# Altium PCB FIT_TDC_ADC.PcbDoc (part 1 of 10) (continued)
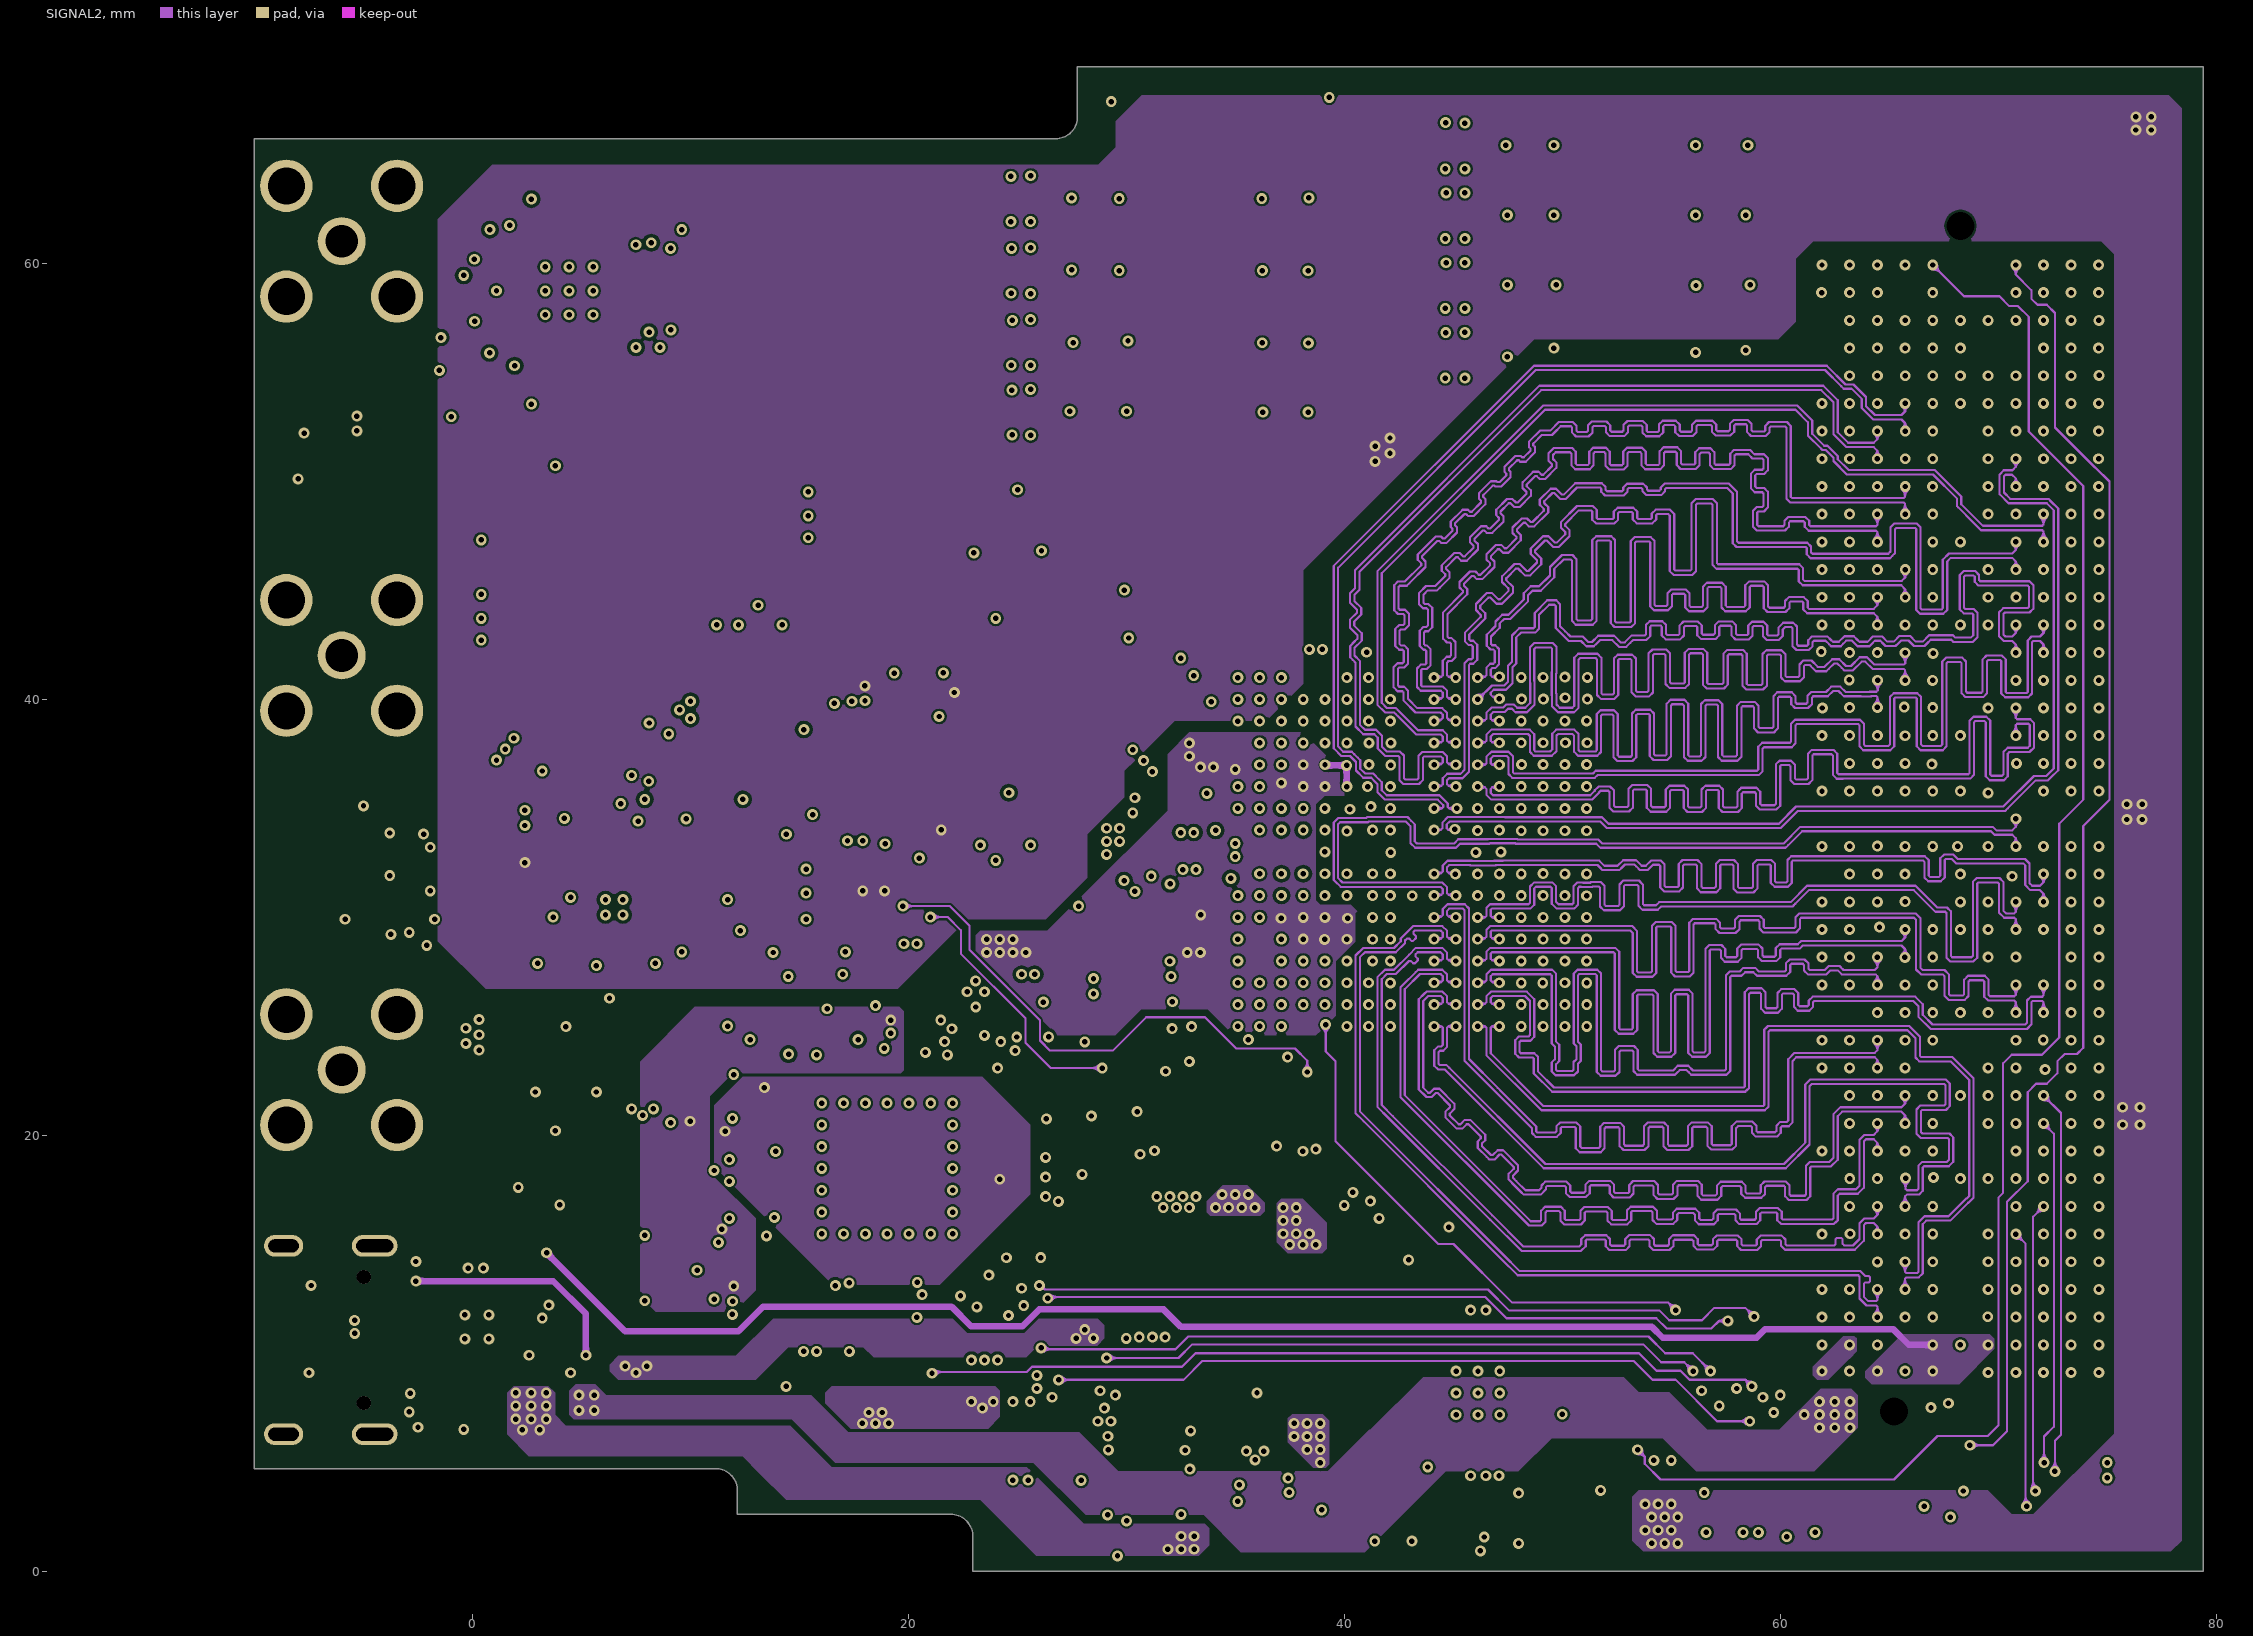
[diagram p3: SIGNAL2]
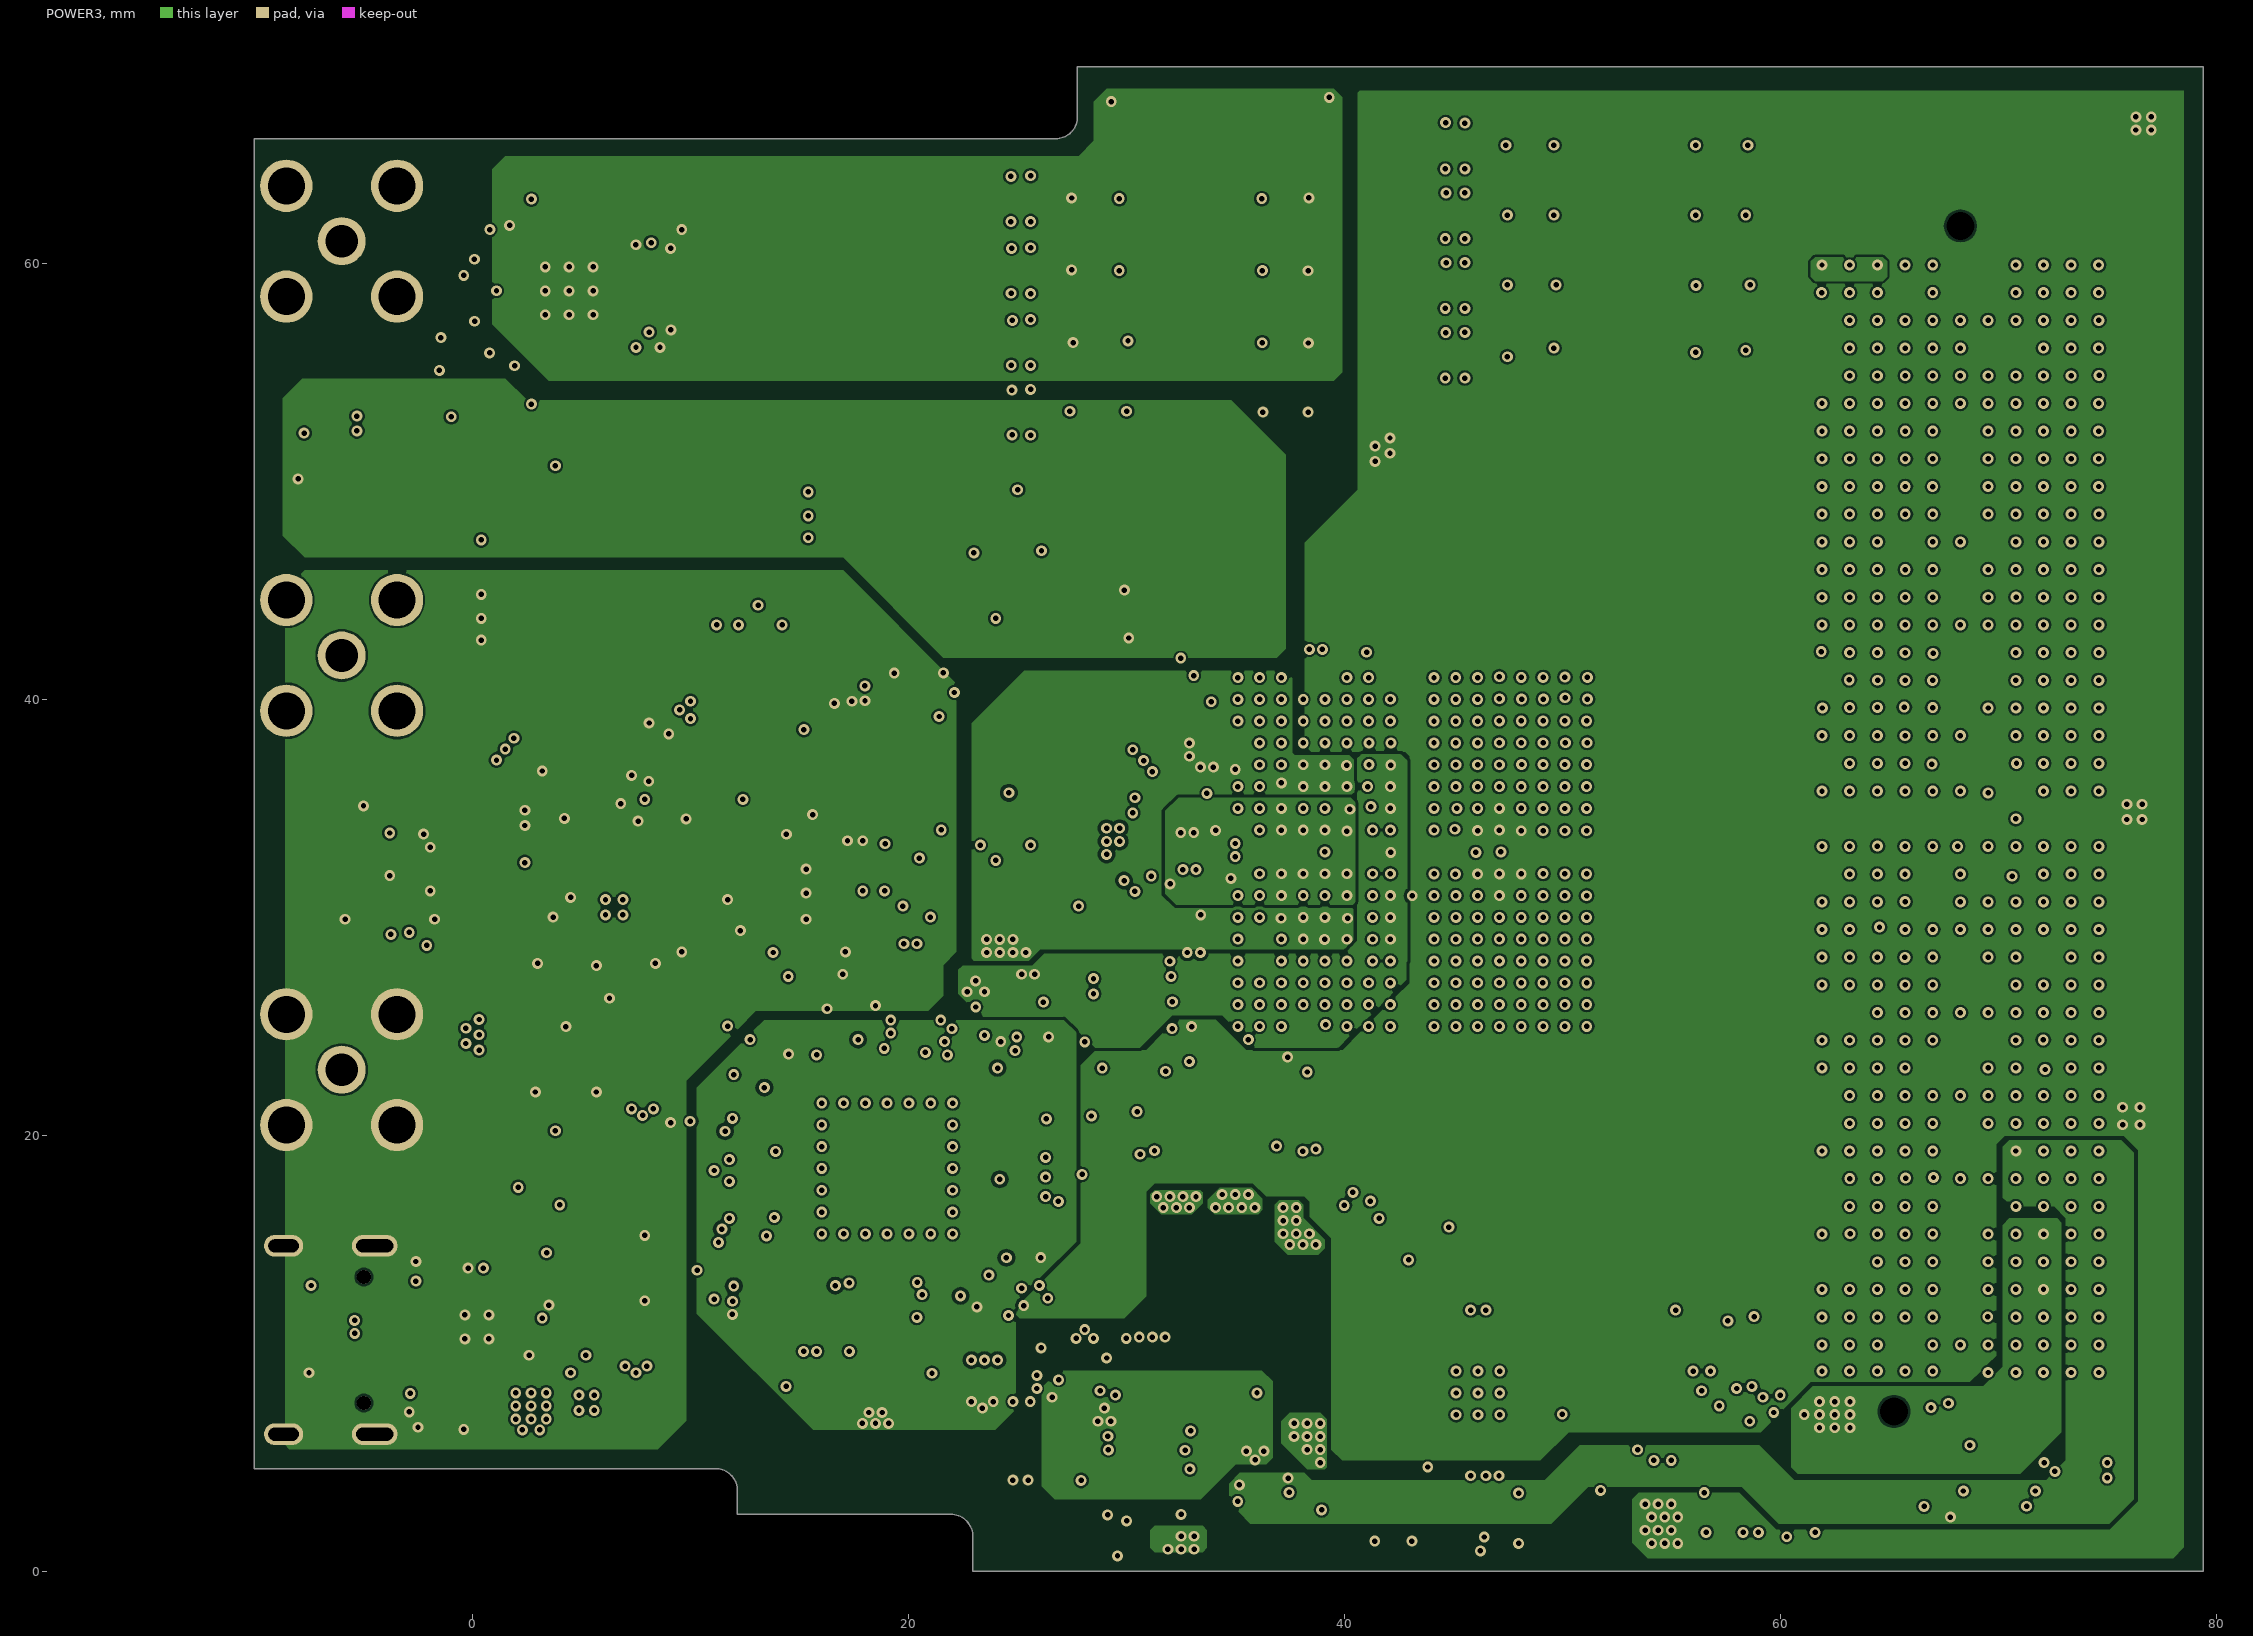
[diagram p4: POWER3]
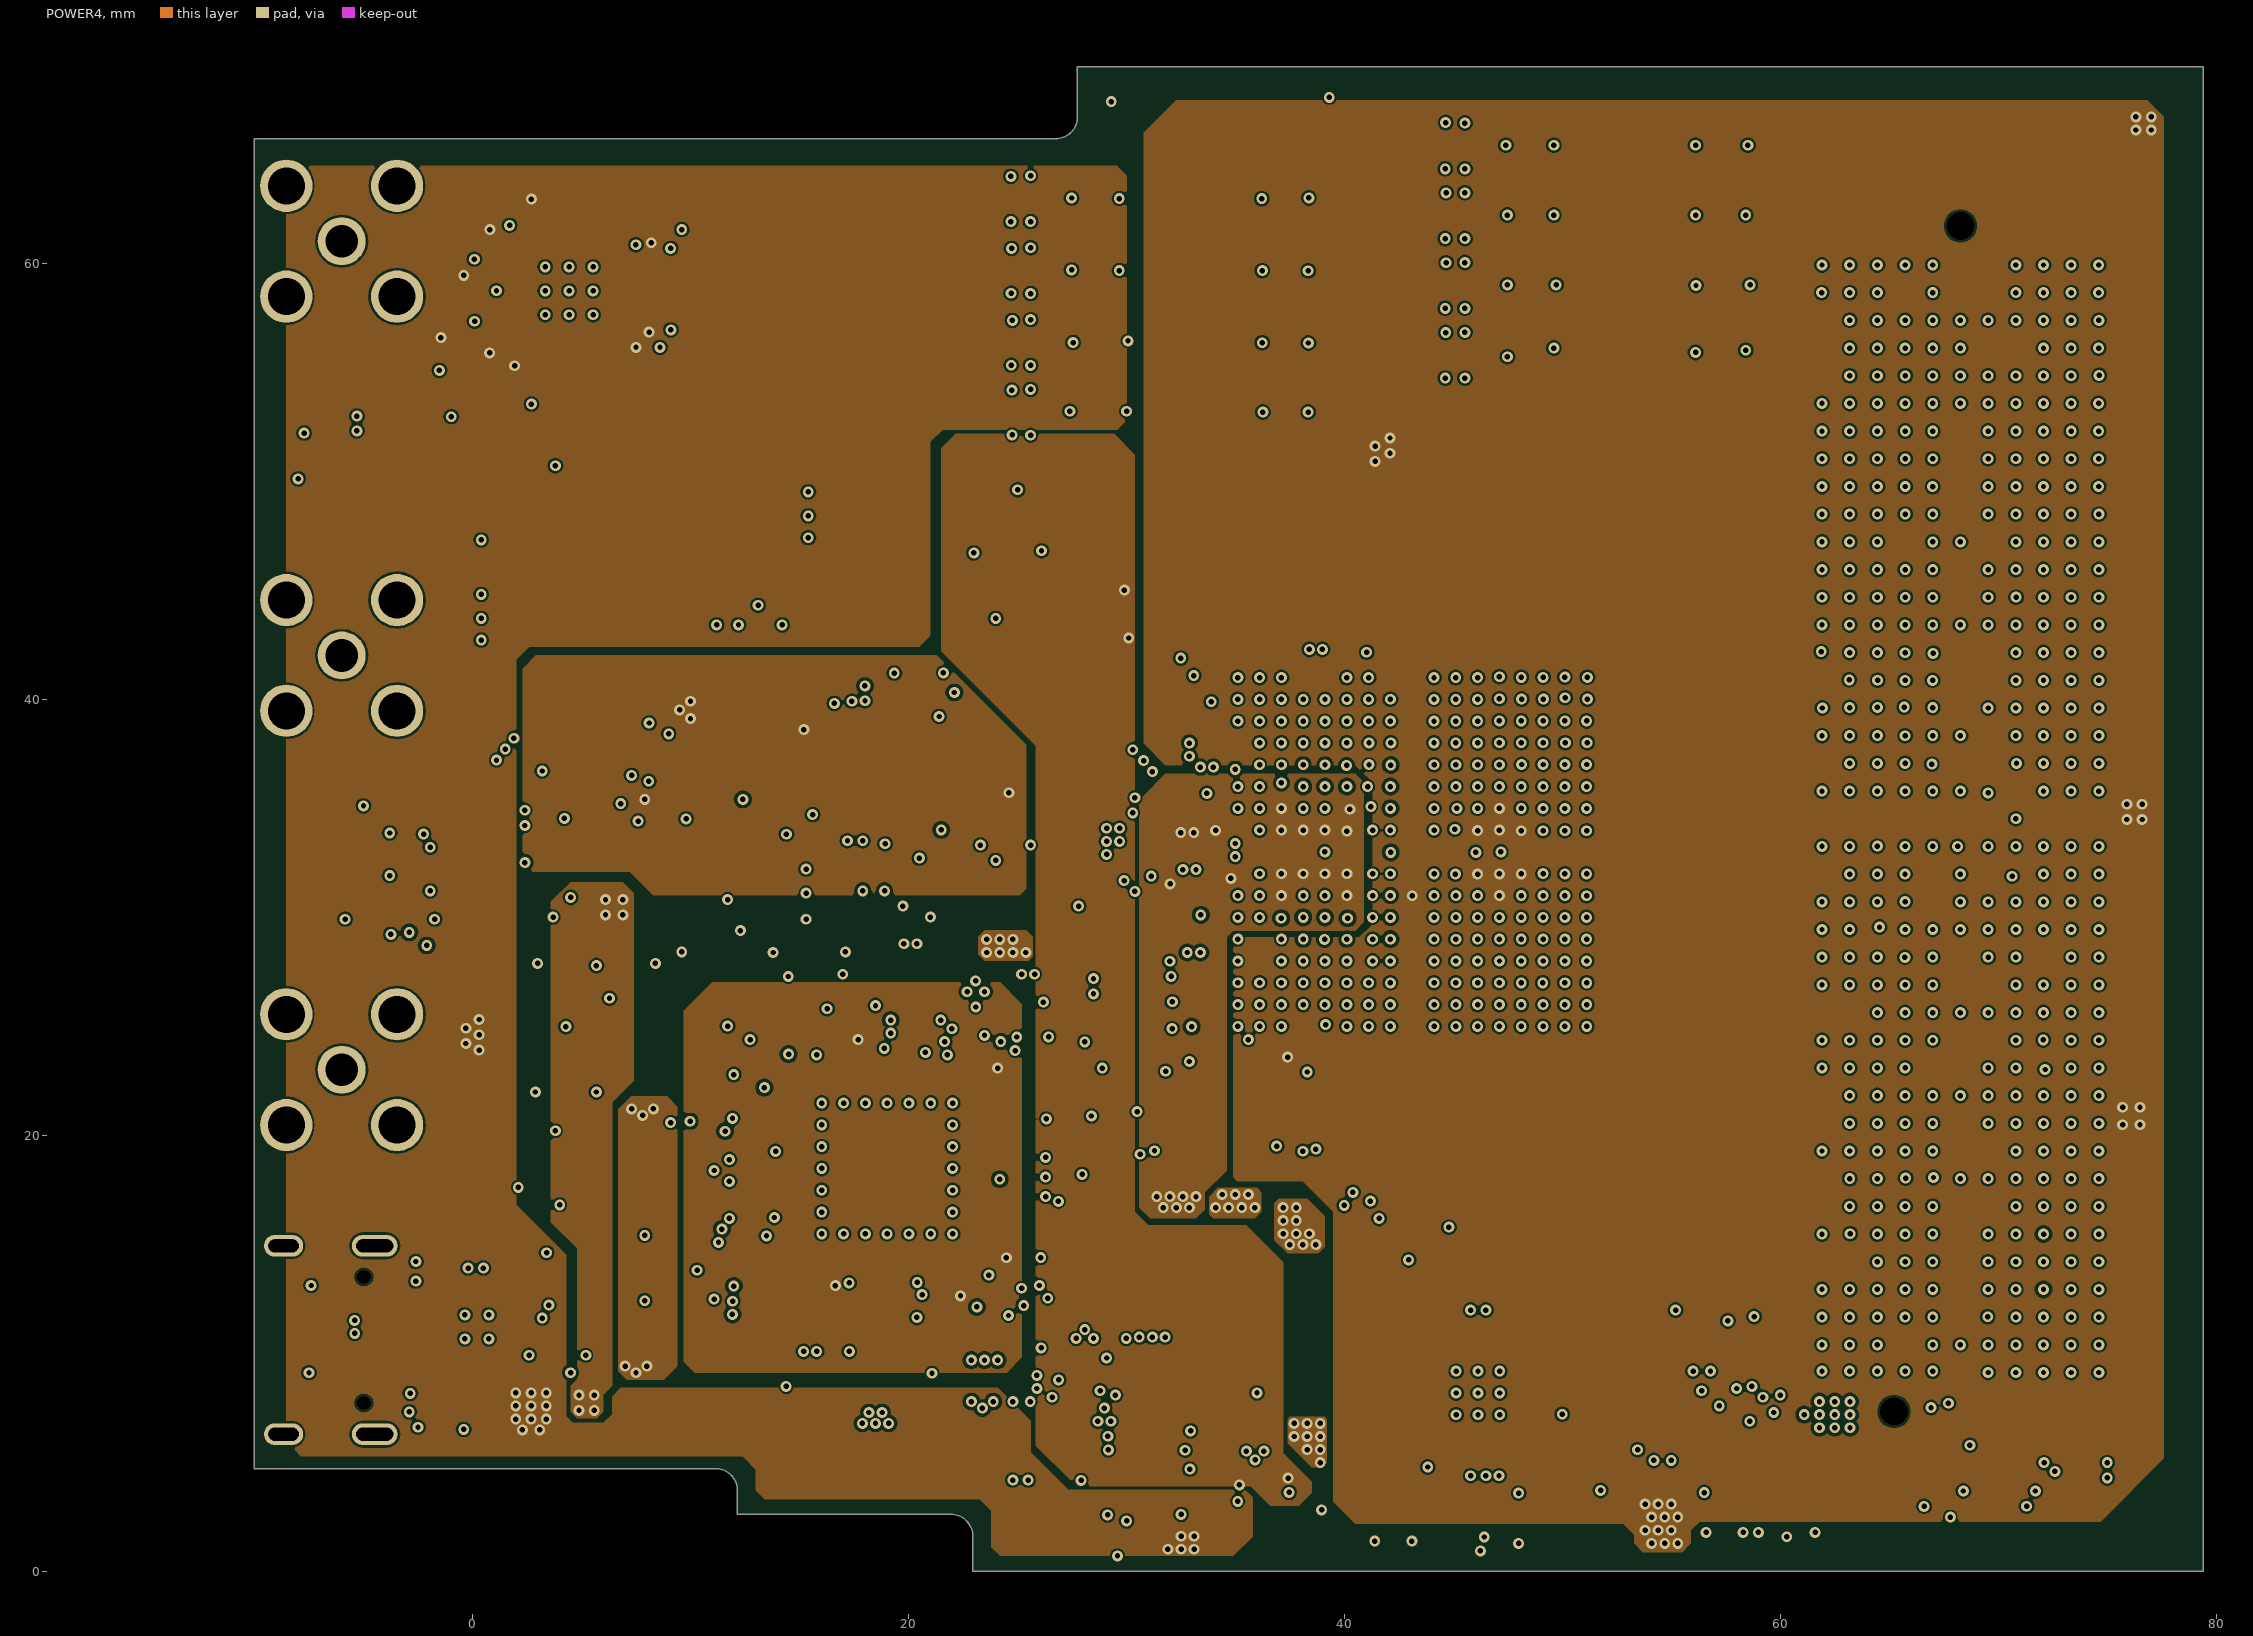
[diagram p5: POWER4]
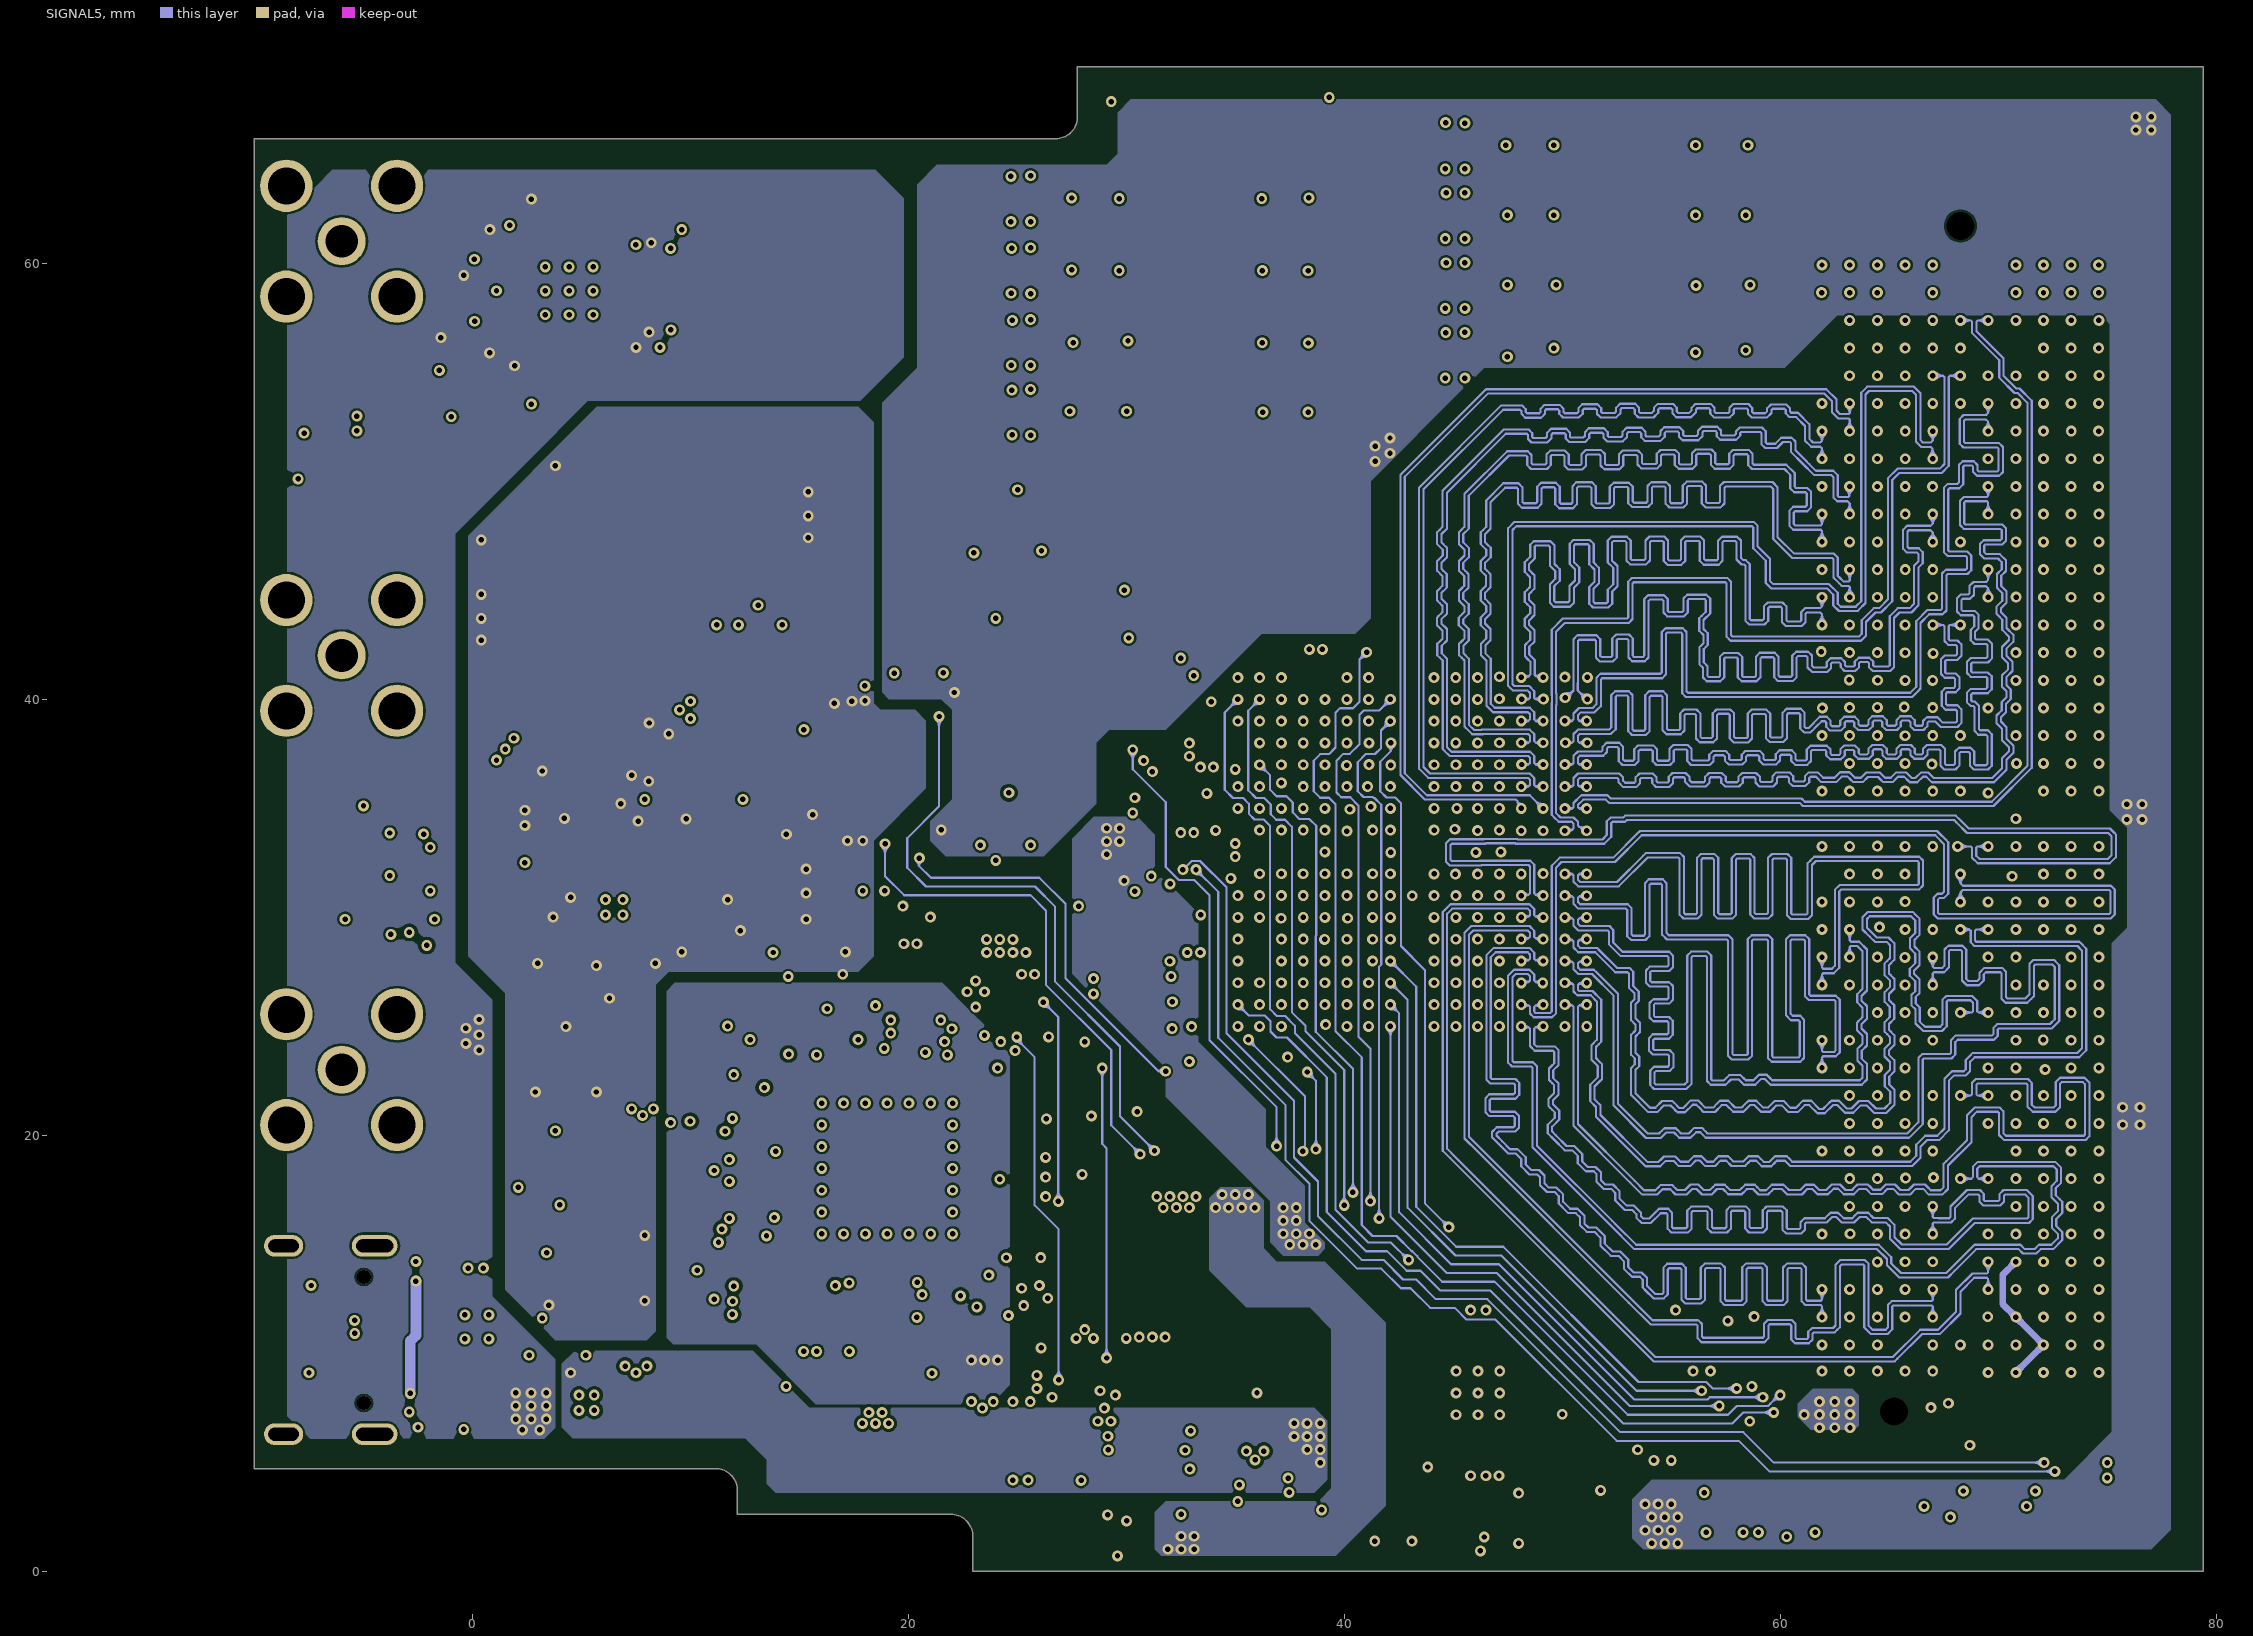
[diagram p6: SIGNAL5]